# Altium PCB TMS320F28379D_Interfaz.PcbDoc (part 1 of 2) (continued)
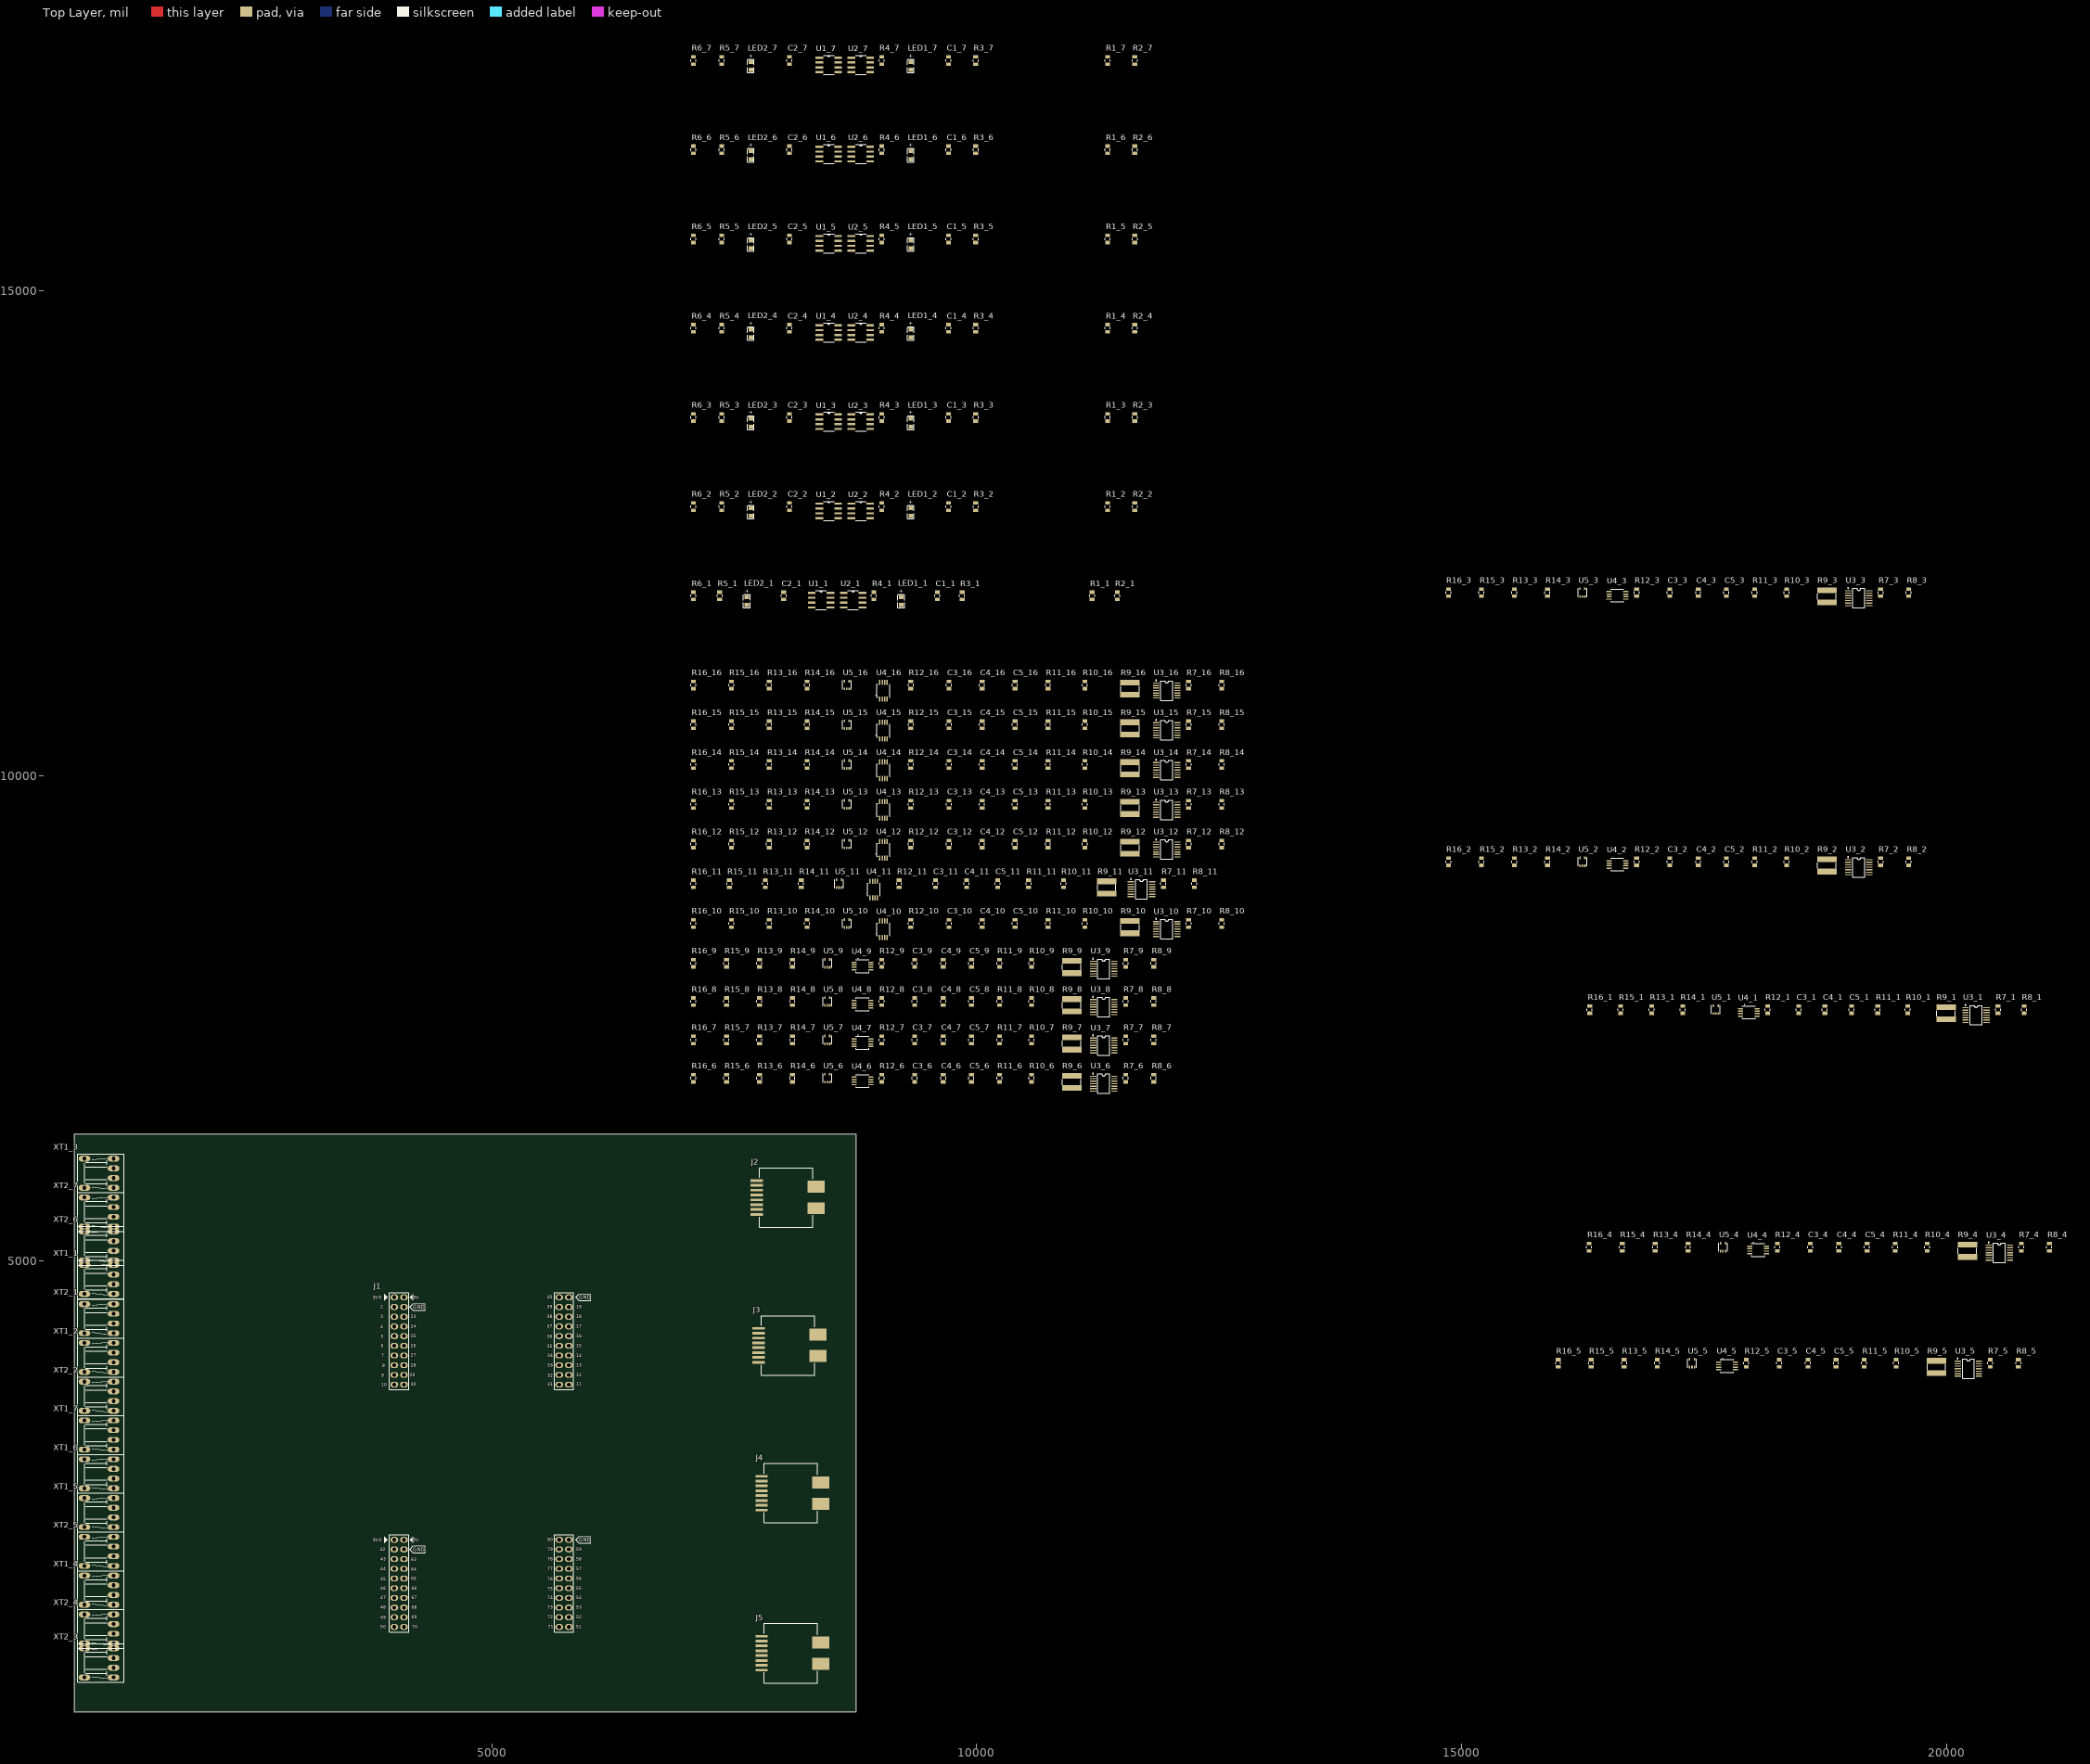
[diagram p0: Top Layer view]
## Components (designator, comment, footprint, x,y, rotation, side; value= is the part's Value field where it differs from the comment) (continued)
C5_3 "Cap cerámico" "CAP 0805" 17730,11887.4 r90 top value=100nF (schematic designator C5)
C5_4 "Cap cerámico" "CAP 0805" 19180,5137.4 r90 top value=100nF (schematic designator C5)
C5_5 "Cap cerámico" "CAP 0805" 18860.59,3940.35 r90 top value=100nF (schematic designator C5)
C5_6 "Cap cerámico" "CAP 0805" 9945,6880 r90 top value=100nF (schematic designator C5)
C5_7 "Cap cerámico" "CAP 0805" 9945,7275 r90 top value=100nF (schematic designator C5)
C5_8 "Cap cerámico" "CAP 0805" 9945,7670 r90 top value=100nF (schematic designator C5)
C5_9 "Cap cerámico" "CAP 0805" 9945,8065 r90 top value=100nF (schematic designator C5)
C5_10 "Cap cerámico" "CAP 0805" 10395,8475 r90 top value=100nF (schematic designator C5)
C5_11 "Cap cerámico" "CAP 0805" 10215,8885 r90 top value=100nF (schematic designator C5)
C5_12 "Cap cerámico" "CAP 0805" 10395,9295 r90 top value=100nF (schematic designator C5)
C5_13 "Cap cerámico" "CAP 0805" 10395,9705 r90 top value=100nF (schematic designator C5)
C5_14 "Cap cerámico" "CAP 0805" 10395,10115 r90 top value=100nF (schematic designator C5)
C5_15 "Cap cerámico" "CAP 0805" 10395,10525 r90 top value=100nF (schematic designator C5)
C5_16 "Cap cerámico" "CAP 0805" 10395,10935 r90 top value=100nF (schematic designator C5)
J1 "Header 20pin" "Header 20pin_TMS320F28379D" 5795,4620 r270 top
J2 "Ethernet connector" "Ethernet connector" 8050,5650 r180 top
J3 "Ethernet connector" "Ethernet connector" 8068.9,4125 r180 top
J4 "Ethernet connector" "Ethernet connector" 8100,2600 r180 top
J5 "Ethernet connector" "Ethernet connector" 8100,950 r180 top
LED1_1 "LED" LED_0805 9220,11800 r90 top (schematic designator LED1)
LED1_2 "LED" LED_0805 9320,12720 r90 top (schematic designator LED1)
LED1_3 "LED" LED_0805 9320,13640 r90 top (schematic designator LED1)
LED1_4 "LED" LED_0805 9320,14560 r90 top (schematic designator LED1)
LED1_5 "LED" LED_0805 9320,15480 r90 top (schematic designator LED1)
LED1_6 "LED" LED_0805 9320,16400 r90 top (schematic designator LED1)
LED1_7 "LED" LED_0805 9320,17320 r90 top (schematic designator LED1)
LED2_1 "LED" LED_0805 7630,11800 r90 top (schematic designator LED2)
LED2_2 "LED" LED_0805 7670,12720 r90 top (schematic designator LED2)
LED2_3 "LED" LED_0805 7670,13640 r90 top (schematic designator LED2)
LED2_4 "LED" LED_0805 7670,14560 r90 top (schematic designator LED2)
LED2_5 "LED" LED_0805 7670,15480 r90 top (schematic designator LED2)
LED2_6 "LED" LED_0805 7670,16400 r90 top (schematic designator LED2)
LED2_7 "LED" LED_0805 7670,17320 r90 top (schematic designator LED2)
R1_1 "Resistor 0805" "Resistor 0805" 11190,11855 r90 top value=100 (schematic designator R1)
R1_2 "Resistor 0805" "Resistor 0805" 11350,12775 r90 top value=100 (schematic designator R1)
R1_3 "Resistor 0805" "Resistor 0805" 11350,13695 r90 top value=100 (schematic designator R1)
R1_4 "Resistor 0805" "Resistor 0805" 11350,14615 r90 top value=100 (schematic designator R1)
R1_5 "Resistor 0805" "Resistor 0805" 11350,15535 r90 top value=100 (schematic designator R1)
R1_6 "Resistor 0805" "Resistor 0805" 11350,16455 r90 top value=100 (schematic designator R1)
R1_7 "Resistor 0805" "Resistor 0805" 11350,17375 r90 top value=100 (schematic designator R1)
R2_1 "Resistor 0805" "Resistor 0805" 11450,11855 r90 top value=100 (schematic designator R2)
R2_2 "Resistor 0805" "Resistor 0805" 11630,12775 r90 top value=100 (schematic designator R2)
R2_3 "Resistor 0805" "Resistor 0805" 11630,13695 r90 top value=100 (schematic designator R2)
R2_4 "Resistor 0805" "Resistor 0805" 11630,14615 r90 top value=100 (schematic designator R2)
R2_5 "Resistor 0805" "Resistor 0805" 11630,15535 r90 top value=100 (schematic designator R2)
R2_6 "Resistor 0805" "Resistor 0805" 11630,16455 r90 top value=100 (schematic designator R2)
R2_7 "Resistor 0805" "Resistor 0805" 11630,17375 r90 top value=100 (schematic designator R2)
R3_1 "Resistor 0805" "Resistor 0805" 9850,11855 r90 top value=680 (schematic designator R3)
R3_2 "Resistor 0805" "Resistor 0805" 9990,12775 r90 top value=680 (schematic designator R3)
R3_3 "Resistor 0805" "Resistor 0805" 9990,13695 r90 top value=680 (schematic designator R3)
R3_4 "Resistor 0805" "Resistor 0805" 9990,14615 r90 top value=680 (schematic designator R3)
R3_5 "Resistor 0805" "Resistor 0805" 9990,15535 r90 top value=680 (schematic designator R3)
R3_6 "Resistor 0805" "Resistor 0805" 9990,16455 r90 top value=680 (schematic designator R3)
R3_7 "Resistor 0805" "Resistor 0805" 9990,17375 r90 top value=680 (schematic designator R3)
R4_1 "Resistor 0805" "Resistor 0805" 8940,11855 r90 top value=680 (schematic designator R4)
R4_2 "Resistor 0805" "Resistor 0805" 9020,12775 r90 top value=680 (schematic designator R4)
R4_3 "Resistor 0805" "Resistor 0805" 9020,13695 r90 top value=680 (schematic designator R4)
R4_4 "Resistor 0805" "Resistor 0805" 9020,14615 r90 top value=680 (schematic designator R4)
R4_5 "Resistor 0805" "Resistor 0805" 9020,15535 r90 top value=680 (schematic designator R4)
R4_6 "Resistor 0805" "Resistor 0805" 9020,16455 r90 top value=680 (schematic designator R4)
R4_7 "Resistor 0805" "Resistor 0805" 9020,17375 r90 top value=680 (schematic designator R4)
R5_1 "Resistor 0805" "Resistor 0805" 7350,11855 r90 top value=10k (schematic designator R5)
R5_2 "Resistor 0805" "Resistor 0805" 7370,12775 r90 top value=10k (schematic designator R5)
R5_3 "Resistor 0805" "Resistor 0805" 7370,13695 r90 top value=10k (schematic designator R5)
R5_4 "Resistor 0805" "Resistor 0805" 7370,14615 r90 top value=10k (schematic designator R5)
R5_5 "Resistor 0805" "Resistor 0805" 7370,15535 r90 top value=10k (schematic designator R5)
R5_6 "Resistor 0805" "Resistor 0805" 7370,16455 r90 top value=10k (schematic designator R5)
R5_7 "Resistor 0805" "Resistor 0805" 7370,17375 r90 top value=10k (schematic designator R5)
R6_1 "Resistor 0805" "Resistor 0805" 7080,11855 r90 top value=10k (schematic designator R6)
R6_2 "Resistor 0805" "Resistor 0805" 7080,12775 r90 top value=10k (schematic designator R6)
R6_3 "Resistor 0805" "Resistor 0805" 7080,13695 r90 top value=10k (schematic designator R6)
R6_4 "Resistor 0805" "Resistor 0805" 7080,14615 r90 top value=10k (schematic designator R6)
R6_5 "Resistor 0805" "Resistor 0805" 7080,15535 r90 top value=10k (schematic designator R6)
R6_6 "Resistor 0805" "Resistor 0805" 7080,16455 r90 top value=10k (schematic designator R6)
R6_7 "Resistor 0805" "Resistor 0805" 7080,17375 r90 top value=10k (schematic designator R6)
R7_1 "Resistor 0805" "Resistor 0805" 20530,7587.4 r90 top value=10k (schematic designator R7)
R7_2 "Resistor 0805" "Resistor 0805" 19320,9112.6 r90 top value=10k (schematic designator R7)
R7_3 "Resistor 0805" "Resistor 0805" 19320,11887.4 r90 top value=10k (schematic designator R7)
R7_4 "Resistor 0805" "Resistor 0805" 20770,5137.4 r90 top value=10k (schematic designator R7)
R7_5 "Resistor 0805" "Resistor 0805" 20450.59,3940.35 r90 top value=10k (schematic designator R7)
R7_6 "Resistor 0805" "Resistor 0805" 11535,6880 r90 top value=10k (schematic designator R7)
R7_7 "Resistor 0805" "Resistor 0805" 11535,7275 r90 top value=10k (schematic designator R7)
R7_8 "Resistor 0805" "Resistor 0805" 11535,7670 r90 top value=10k (schematic designator R7)
R7_9 "Resistor 0805" "Resistor 0805" 11535,8065 r90 top value=10k (schematic designator R7)
R7_10 "Resistor 0805" "Resistor 0805" 12185,8475 r90 top value=10k (schematic designator R7)
R7_11 "Resistor 0805" "Resistor 0805" 11925,8885 r90 top value=10k (schematic designator R7)
R7_12 "Resistor 0805" "Resistor 0805" 12185,9295 r90 top value=10k (schematic designator R7)
R7_13 "Resistor 0805" "Resistor 0805" 12185,9705 r90 top value=10k (schematic designator R7)
R7_14 "Resistor 0805" "Resistor 0805" 12185,10115 r90 top value=10k (schematic designator R7)
R7_15 "Resistor 0805" "Resistor 0805" 12185,10525 r90 top value=10k (schematic designator R7)
R7_16 "Resistor 0805" "Resistor 0805" 12185,10935 r90 top value=10k (schematic designator R7)
R8_1 "Resistor 0805" "Resistor 0805" 20800,7587.4 r90 top value=10k (schematic designator R8)
R8_2 "Resistor 0805" "Resistor 0805" 19610,9112.6 r90 top value=10k (schematic designator R8)
R8_3 "Resistor 0805" "Resistor 0805" 19610,11887.4 r90 top value=10k (schematic designator R8)
R8_4 "Resistor 0805" "Resistor 0805" 21060,5137.4 r90 top value=10k (schematic designator R8)
R8_5 "Resistor 0805" "Resistor 0805" 20740.59,3940.35 r90 top value=10k (schematic designator R8)
R8_6 "Resistor 0805" "Resistor 0805" 11825,6880 r90 top value=10k (schematic designator R8)
R8_7 "Resistor 0805" "Resistor 0805" 11825,7275 r90 top value=10k (schematic designator R8)
R8_8 "Resistor 0805" "Resistor 0805" 11825,7670 r90 top value=10k (schematic designator R8)
R8_9 "Resistor 0805" "Resistor 0805" 11825,8065 r90 top value=10k (schematic designator R8)
R8_10 "Resistor 0805" "Resistor 0805" 12525,8475 r90 top value=10k (schematic designator R8)
R8_11 "Resistor 0805" "Resistor 0805" 12245,8885 r90 top value=10k (schematic designator R8)
R8_12 "Resistor 0805" "Resistor 0805" 12525,9295 r90 top value=10k (schematic designator R8)
R8_13 "Resistor 0805" "Resistor 0805" 12525,9705 r90 top value=10k (schematic designator R8)
R8_14 "Resistor 0805" "Resistor 0805" 12525,10115 r90 top value=10k (schematic designator R8)
R8_15 "Resistor 0805" "Resistor 0805" 12525,10525 r90 top value=10k (schematic designator R8)
R8_16 "Resistor 0805" "Resistor 0805" 12525,10935 r90 top value=10k (schematic designator R8)
R9_1 "Resistor 0805" "Resistor 1812 wide" 19995,7612.4 r0 top value=220 (schematic designator R9)
R9_2 "Resistor 0805" "Resistor 1812 wide" 18765,9137.6 r0 top value=220 (schematic designator R9)
R9_3 "Resistor 0805" "Resistor 1812 wide" 18765,11912.4 r0 top value=220 (schematic designator R9)
R9_4 "Resistor 0805" "Resistor 1812 wide" 20215,5162.4 r0 top value=220 (schematic designator R9)
R9_5 "Resistor 0805" "Resistor 1812 wide" 19895.59,3965.35 r0 top value=220 (schematic designator R9)
R9_6 "Resistor 0805" "Resistor 1812 wide" 10980,6905 r0 top value=220 (schematic designator R9)
R9_7 "Resistor 0805" "Resistor 1812 wide" 10980,7300 r0 top value=220 (schematic designator R9)
R9_8 "Resistor 0805" "Resistor 1812 wide" 10980,7695 r0 top value=220 (schematic designator R9)
R9_9 "Resistor 0805" "Resistor 1812 wide" 10980,8090 r0 top value=220 (schematic designator R9)
R9_10 "Resistor 0805" "Resistor 1812 wide" 11580,8500 r0 top value=220 (schematic designator R9)
R9_11 "Resistor 0805" "Resistor 1812 wide" 11340,8910 r0 top value=220 (schematic designator R9)
R9_12 "Resistor 0805" "Resistor 1812 wide" 11580,9320 r0 top value=220 (schematic designator R9)
R9_13 "Resistor 0805" "Resistor 1812 wide" 11580,9730 r0 top value=220 (schematic designator R9)
R9_14 "Resistor 0805" "Resistor 1812 wide" 11580,10140 r0 top value=220 (schematic designator R9)
R9_15 "Resistor 0805" "Resistor 1812 wide" 11580,10550 r0 top value=220 (schematic designator R9)
R9_16 "Resistor 0805" "Resistor 1812 wide" 11580,10960 r0 top value=220 (schematic designator R9)
R10_1 "Resistor 0805" "Resistor 0805" 19600,7587.4 r90 top value=3K (schematic designator R10)
R10_2 "Resistor 0805" "Resistor 0805" 18350,9112.6 r90 top value=3K (schematic designator R10)
R10_3 "Resistor 0805" "Resistor 0805" 18350,11887.4 r90 top value=3K (schematic designator R10)
R10_4 "Resistor 0805" "Resistor 0805" 19800,5137.4 r90 top value=3K (schematic designator R10)
R10_5 "Resistor 0805" "Resistor 0805" 19480.59,3940.35 r90 top value=3K (schematic designator R10)
R10_6 "Resistor 0805" "Resistor 0805" 10565,6880 r90 top value=3K (schematic designator R10)
R10_7 "Resistor 0805" "Resistor 0805" 10565,7275 r90 top value=3K (schematic designator R10)
R10_8 "Resistor 0805" "Resistor 0805" 10565,7670 r90 top value=3K (schematic designator R10)
R10_9 "Resistor 0805" "Resistor 0805" 10565,8065 r90 top value=3K (schematic designator R10)
R10_10 "Resistor 0805" "Resistor 0805" 11115,8475 r90 top value=3K (schematic designator R10)
R10_11 "Resistor 0805" "Resistor 0805" 10895,8885 r90 top value=3K (schematic designator R10)
R10_12 "Resistor 0805" "Resistor 0805" 11115,9295 r90 top value=3K (schematic designator R10)
R10_13 "Resistor 0805" "Resistor 0805" 11115,9705 r90 top value=3K (schematic designator R10)
R10_14 "Resistor 0805" "Resistor 0805" 11115,10115 r90 top value=3K (schematic designator R10)
R10_15 "Resistor 0805" "Resistor 0805" 11115,10525 r90 top value=3K (schematic designator R10)
R10_16 "Resistor 0805" "Resistor 0805" 11115,10935 r90 top value=3K (schematic designator R10)
R11_1 "Resistor 0805" "Resistor 0805" 19290,7587.4 r90 top value=10k (schematic designator R11)
R11_2 "Resistor 0805" "Resistor 0805" 18020,9112.6 r90 top value=10k (schematic designator R11)
R11_3 "Resistor 0805" "Resistor 0805" 18020,11887.4 r90 top value=10k (schematic designator R11)
R11_4 "Resistor 0805" "Resistor 0805" 19470,5137.4 r90 top value=10k (schematic designator R11)
R11_5 "Resistor 0805" "Resistor 0805" 19150.59,3940.35 r90 top value=10k (schematic designator R11)
R11_6 "Resistor 0805" "Resistor 0805" 10235,6880 r90 top value=10k (schematic designator R11)
R11_7 "Resistor 0805" "Resistor 0805" 10235,7275 r90 top value=10k (schematic designator R11)
R11_8 "Resistor 0805" "Resistor 0805" 10235,7670 r90 top value=10k (schematic designator R11)
R11_9 "Resistor 0805" "Resistor 0805" 10235,8065 r90 top value=10k (schematic designator R11)
R11_10 "Resistor 0805" "Resistor 0805" 10735,8475 r90 top value=10k (schematic designator R11)
R11_11 "Resistor 0805" "Resistor 0805" 10535,8885 r90 top value=10k (schematic designator R11)
R11_12 "Resistor 0805" "Resistor 0805" 10735,9295 r90 top value=10k (schematic designator R11)
R11_13 "Resistor 0805" "Resistor 0805" 10735,9705 r90 top value=10k (schematic designator R11)
R11_14 "Resistor 0805" "Resistor 0805" 10735,10115 r90 top value=10k (schematic designator R11)
R11_15 "Resistor 0805" "Resistor 0805" 10735,10525 r90 top value=10k (schematic designator R11)
R11_16 "Resistor 0805" "Resistor 0805" 10735,10935 r90 top value=10k (schematic designator R11)
R12_1 "Resistor 0805" "Resistor 0805" 18155,7587.4 r90 top value=12k (schematic designator R12)
R12_2 "Resistor 0805" "Resistor 0805" 16805,9112.6 r90 top value=12k (schematic designator R12)
R12_3 "Resistor 0805" "Resistor 0805" 16805,11887.4 r90 top value=12k (schematic designator R12)
R12_4 "Resistor 0805" "Resistor 0805" 18255,5137.4 r90 top value=12k (schematic designator R12)
R12_5 "Resistor 0805" "Resistor 0805" 17935.59,3940.35 r90 top value=12k (schematic designator R12)
R12_6 "Resistor 0805" "Resistor 0805" 9020,6880 r90 top value=12k (schematic designator R12)
R12_7 "Resistor 0805" "Resistor 0805" 9020,7275 r90 top value=12k (schematic designator R12)
R12_8 "Resistor 0805" "Resistor 0805" 9020,7670 r90 top value=12k (schematic designator R12)
R12_9 "Resistor 0805" "Resistor 0805" 9020,8065 r90 top value=12k (schematic designator R12)
R12_10 "Resistor 0805" "Resistor 0805" 9320,8475 r90 top value=12k (schematic designator R12)
R12_11 "Resistor 0805" "Resistor 0805" 9200,8885 r90 top value=12k (schematic designator R12)
R12_12 "Resistor 0805" "Resistor 0805" 9320,9295 r90 top value=12k (schematic designator R12)
R12_13 "Resistor 0805" "Resistor 0805" 9320,9705 r90 top value=12k (schematic designator R12)
R12_14 "Resistor 0805" "Resistor 0805" 9320,10115 r90 top value=12k (schematic designator R12)
R12_15 "Resistor 0805" "Resistor 0805" 9320,10525 r90 top value=12k (schematic designator R12)
R12_16 "Resistor 0805" "Resistor 0805" 9320,10935 r90 top value=12k (schematic designator R12)
R13_1 "Resistor 0805" "Resistor 0805" 16960,7587.4 r90 top value=10k (schematic designator R13)
R13_2 "Resistor 0805" "Resistor 0805" 15545,9112.6 r90 top value=10k (schematic designator R13)
R13_3 "Resistor 0805" "Resistor 0805" 15545,11887.4 r90 top value=10k (schematic designator R13)
R13_4 "Resistor 0805" "Resistor 0805" 16995,5137.4 r90 top value=10k (schematic designator R13)
R13_5 "Resistor 0805" "Resistor 0805" 16675.59,3940.35 r90 top value=10k (schematic designator R13)
R13_6 "Resistor 0805" "Resistor 0805" 7760,6880 r90 top value=10k (schematic designator R13)
R13_7 "Resistor 0805" "Resistor 0805" 7760,7275 r90 top value=10k (schematic designator R13)
R13_8 "Resistor 0805" "Resistor 0805" 7760,7670 r90 top value=10k (schematic designator R13)
R13_9 "Resistor 0805" "Resistor 0805" 7760,8065 r90 top value=10k (schematic designator R13)
R13_10 "Resistor 0805" "Resistor 0805" 7860,8475 r90 top value=10k (schematic designator R13)
R13_11 "Resistor 0805" "Resistor 0805" 7820,8885 r90 top value=10k (schematic designator R13)
R13_12 "Resistor 0805" "Resistor 0805" 7860,9295 r90 top value=10k (schematic designator R13)
R13_13 "Resistor 0805" "Resistor 0805" 7860,9705 r90 top value=10k (schematic designator R13)
R13_14 "Resistor 0805" "Resistor 0805" 7860,10115 r90 top value=10k (schematic designator R13)
R13_15 "Resistor 0805" "Resistor 0805" 7860,10525 r90 top value=10k (schematic designator R13)
R13_16 "Resistor 0805" "Resistor 0805" 7860,10935 r90 top value=10k (schematic designator R13)
R14_1 "Resistor 0805" "Resistor 0805" 17280,7587.4 r90 top value=10k (schematic designator R14)
R14_2 "Resistor 0805" "Resistor 0805" 15885,9112.6 r90 top value=10k (schematic designator R14)
R14_3 "Resistor 0805" "Resistor 0805" 15885,11887.4 r90 top value=10k (schematic designator R14)
R14_4 "Resistor 0805" "Resistor 0805" 17335,5137.4 r90 top value=10k (schematic designator R14)
R14_5 "Resistor 0805" "Resistor 0805" 17015.59,3940.35 r90 top value=10k (schematic designator R14)
R14_6 "Resistor 0805" "Resistor 0805" 8100,6880 r90 top value=10k (schematic designator R14)
R14_7 "Resistor 0805" "Resistor 0805" 8100,7275 r90 top value=10k (schematic designator R14)
R14_8 "Resistor 0805" "Resistor 0805" 8100,7670 r90 top value=10k (schematic designator R14)
R14_9 "Resistor 0805" "Resistor 0805" 8100,8065 r90 top value=10k (schematic designator R14)
R14_10 "Resistor 0805" "Resistor 0805" 8250,8475 r90 top value=10k (schematic designator R14)
R14_11 "Resistor 0805" "Resistor 0805" 8190,8885 r90 top value=10k (schematic designator R14)
R14_12 "Resistor 0805" "Resistor 0805" 8250,9295 r90 top value=10k (schematic designator R14)
R14_13 "Resistor 0805" "Resistor 0805" 8250,9705 r90 top value=10k (schematic designator R14)
R14_14 "Resistor 0805" "Resistor 0805" 8250,10115 r90 top value=10k (schematic designator R14)
R14_15 "Resistor 0805" "Resistor 0805" 8250,10525 r90 top value=10k (schematic designator R14)
R14_16 "Resistor 0805" "Resistor 0805" 8250,10935 r90 top value=10k (schematic designator R14)
R15_1 "Resistor 0805" "Resistor 0805" 16640,7587.4 r90 top value=10k (schematic designator R15)
R15_2 "Resistor 0805" "Resistor 0805" 15205,9112.6 r90 top value=10k (schematic designator R15)
R15_3 "Resistor 0805" "Resistor 0805" 15205,11887.4 r90 top value=10k (schematic designator R15)
R15_4 "Resistor 0805" "Resistor 0805" 16655,5137.4 r90 top value=10k (schematic designator R15)
R15_5 "Resistor 0805" "Resistor 0805" 16335.59,3940.35 r90 top value=10k (schematic designator R15)
R15_6 "Resistor 0805" "Resistor 0805" 7420,6880 r90 top value=10k (schematic designator R15)
R15_7 "Resistor 0805" "Resistor 0805" 7420,7275 r90 top value=10k (schematic designator R15)
R15_8 "Resistor 0805" "Resistor 0805" 7420,7670 r90 top value=10k (schematic designator R15)
R15_9 "Resistor 0805" "Resistor 0805" 7420,8065 r90 top value=10k (schematic designator R15)
R15_10 "Resistor 0805" "Resistor 0805" 7470,8475 r90 top value=10k (schematic designator R15)
R15_11 "Resistor 0805" "Resistor 0805" 7450,8885 r90 top value=10k (schematic designator R15)
R15_12 "Resistor 0805" "Resistor 0805" 7470,9295 r90 top value=10k (schematic designator R15)
R15_13 "Resistor 0805" "Resistor 0805" 7470,9705 r90 top value=10k (schematic designator R15)
R15_14 "Resistor 0805" "Resistor 0805" 7470,10115 r90 top value=10k (schematic designator R15)
R15_15 "Resistor 0805" "Resistor 0805" 7470,10525 r90 top value=10k (schematic designator R15)
R15_16 "Resistor 0805" "Resistor 0805" 7470,10935 r90 top value=10k (schematic designator R15)
R16_1 "Resistor 0805" "Resistor 0805" 16320,7587.4 r90 top value=10k (schematic designator R16)
R16_2 "Resistor 0805" "Resistor 0805" 14865,9112.6 r90 top value=10k (schematic designator R16)
R16_3 "Resistor 0805" "Resistor 0805" 14865,11887.4 r90 top value=10k (schematic designator R16)
R16_4 "Resistor 0805" "Resistor 0805" 16315,5137.4 r90 top value=10k (schematic designator R16)
R16_5 "Resistor 0805" "Resistor 0805" 15995.59,3940.35 r90 top value=10k (schematic designator R16)
R16_6 "Resistor 0805" "Resistor 0805" 7080,6880 r90 top value=10k (schematic designator R16)
R16_7 "Resistor 0805" "Resistor 0805" 7080,7275 r90 top value=10k (schematic designator R16)
R16_8 "Resistor 0805" "Resistor 0805" 7080,7670 r90 top value=10k (schematic designator R16)
R16_9 "Resistor 0805" "Resistor 0805" 7080,8065 r90 top value=10k (schematic designator R16)
R16_10 "Resistor 0805" "Resistor 0805" 7080,8475 r90 top value=10k (schematic designator R16)
R16_11 "Resistor 0805" "Resistor 0805" 7080,8885 r90 top value=10k (schematic designator R16)
R16_12 "Resistor 0805" "Resistor 0805" 7080,9295 r90 top value=10k (schematic designator R16)
R16_13 "Resistor 0805" "Resistor 0805" 7080,9705 r90 top value=10k (schematic designator R16)
R16_14 "Resistor 0805" "Resistor 0805" 7080,10115 r90 top value=10k (schematic designator R16)
R16_15 "Resistor 0805" "Resistor 0805" 7080,10525 r90 top value=10k (schematic designator R16)
R16_16 "Resistor 0805" "Resistor 0805" 7080,10935 r90 top value=10k (schematic designator R16)
U1_1 "SN75451BDR" 8-SOIC 8395,11810 r0 top (schematic designator U1)
U1_2 "SN75451BDR" 8-SOIC 8475,12730 r0 top (schematic designator U1)
U1_3 "SN75451BDR" 8-SOIC 8475,13650 r0 top (schematic designator U1)
U1_4 "SN75451BDR" 8-SOIC 8475,14570 r0 top (schematic designator U1)
U1_5 "SN75451BDR" 8-SOIC 8475,15490 r0 top (schematic designator U1)
U1_6 "SN75451BDR" 8-SOIC 8475,16410 r0 top (schematic designator U1)
U1_7 "SN75451BDR" 8-SOIC 8475,17330 r0 top (schematic designator U1)
U2_1 "SN75451BDR" 8-SOIC 8725,11810 r0 top (schematic designator U2)
U2_2 "SN75451BDR" 8-SOIC 8805,12730 r0 top (schematic designator U2)
U2_3 "SN75451BDR" 8-SOIC 8805,13650 r0 top (schematic designator U2)
U2_4 "SN75451BDR" 8-SOIC 8805,14570 r0 top (schematic designator U2)
U2_5 "SN75451BDR" 8-SOIC 8805,15490 r0 top (schematic designator U2)
U2_6 "SN75451BDR" 8-SOIC 8805,16410 r0 top (schematic designator U2)
U2_7 "SN75451BDR" 8-SOIC 8805,17330 r0 top (schematic designator U2)
U3_1 "OPA4344" 14-TSSOP 20195,7607.4 r0 top (schematic designator U3)
U3_2 "OPA4344" 14-TSSOP 18985,9132.6 r0 top (schematic designator U3)
U3_3 "OPA4344" 14-TSSOP 18985,11907.4 r0 top (schematic designator U3)
U3_4 "OPA4344" 14-TSSOP 20435,5157.4 r0 top (schematic designator U3)
U3_5 "OPA4344" 14-TSSOP 20115.59,3960.35 r0 top (schematic designator U3)
U3_6 "OPA4344" 14-TSSOP 11200,6900 r0 top (schematic designator U3)
U3_7 "OPA4344" 14-TSSOP 11200,7295 r0 top (schematic designator U3)
U3_8 "OPA4344" 14-TSSOP 11200,7690 r0 top (schematic designator U3)
U3_9 "OPA4344" 14-TSSOP 11200,8085 r0 top (schematic designator U3)
U3_10 "OPA4344" 14-TSSOP 11850,8495 r0 top (schematic designator U3)
U3_11 "OPA4344" 14-TSSOP 11590,8905 r0 top (schematic designator U3)
U3_12 "OPA4344" 14-TSSOP 11850,9315 r0 top (schematic designator U3)
U3_13 "OPA4344" 14-TSSOP 11850,9725 r0 top (schematic designator U3)
U3_14 "OPA4344" 14-TSSOP 11850,10135 r0 top (schematic designator U3)
U3_15 "OPA4344" 14-TSSOP 11850,10545 r0 top (schematic designator U3)
U3_16 "OPA4344" 14-TSSOP 11850,10955 r0 top (schematic designator U3)
U4_1 "MAX962" 8-TSSOP 17875,7597.4 r0 top (schematic designator U4)
U4_2 "MAX962" 8-TSSOP 16520,9122.6 r0 top (schematic designator U4)
U4_3 "MAX962" 8-TSSOP 16520,11897.4 r0 top (schematic designator U4)
U4_4 "MAX962" 8-TSSOP 17970,5147.4 r0 top (schematic designator U4)
U4_5 "MAX962" 8-TSSOP 17650.59,3950.35 r0 top (schematic designator U4)
U4_6 "MAX962" 8-TSSOP 8735,6890 r0 top (schematic designator U4)
U4_7 "MAX962" 8-TSSOP 8735,7285 r0 top (schematic designator U4)
U4_8 "MAX962" 8-TSSOP 8735,7680 r0 top (schematic designator U4)
U4_9 "MAX962" 8-TSSOP 8735,8075 r0 top (schematic designator U4)
U4_10 "MAX962" 8-TSSOP 9000,8330 r90 top (schematic designator U4)
U4_11 "MAX962" 8-TSSOP 8900,8740 r90 top (schematic designator U4)
U4_12 "MAX962" 8-TSSOP 9000,9150 r90 top (schematic designator U4)
U4_13 "MAX962" 8-TSSOP 9000,9560 r90 top (schematic designator U4)
U4_14 "MAX962" 8-TSSOP 9000,9970 r90 top (schematic designator U4)
U4_15 "MAX962" 8-TSSOP 9000,10380 r90 top (schematic designator U4)
U4_16 "MAX962" 8-TSSOP 9000,10790 r90 top (schematic designator U4)
U5_1 "MC74VHC1G32DFT1" 5-TSSOP 17620,7587.4 r90 top (schematic designator U5)
U5_2 "MC74VHC1G32DFT1" 5-TSSOP 16245,9112.6 r90 top (schematic designator U5)
U5_3 "MC74VHC1G32DFT1" 5-TSSOP 16245,11887.4 r90 top (schematic designator U5)
U5_4 "MC74VHC1G32DFT1" 5-TSSOP 17695,5137.4 r90 top (schematic designator U5)
U5_5 "MC74VHC1G32DFT1" 5-TSSOP 17375.59,3940.35 r90 top (schematic designator U5)
U5_6 "MC74VHC1G32DFT1" 5-TSSOP 8460,6880 r90 top (schematic designator U5)
U5_7 "MC74VHC1G32DFT1" 5-TSSOP 8460,7275 r90 top (schematic designator U5)
U5_8 "MC74VHC1G32DFT1" 5-TSSOP 8460,7670 r90 top (schematic designator U5)
U5_9 "MC74VHC1G32DFT1" 5-TSSOP 8460,8065 r90 top (schematic designator U5)
U5_10 "MC74VHC1G32DFT1" 5-TSSOP 8660,8475 r90 top (schematic designator U5)
U5_11 "MC74VHC1G32DFT1" 5-TSSOP 8580,8885 r90 top (schematic designator U5)
U5_12 "MC74VHC1G32DFT1" 5-TSSOP 8660,9295 r90 top (schematic designator U5)
U5_13 "MC74VHC1G32DFT1" 5-TSSOP 8660,9705 r90 top (schematic designator U5)
U5_14 "MC74VHC1G32DFT1" 5-TSSOP 8660,10115 r90 top (schematic designator U5)
U5_15 "MC74VHC1G32DFT1" 5-TSSOP 8660,10525 r90 top (schematic designator U5)
U5_16 "MC74VHC1G32DFT1" 5-TSSOP 8660,10935 r90 top (schematic designator U5)
XT1_1 "HFBR-1521Z" HFBR-15X1Z 1100,4655 r270 top (schematic designator XT1)
XT1_2 "HFBR-1521Z" HFBR-15X1Z 1100,3850 r270 top (schematic designator XT1)
XT1_3 "HFBR-1521Z" HFBR-15X1Z 1100,5750 r270 top (schematic designator XT1)
XT1_4 "HFBR-1521Z" HFBR-15X1Z 1100,1450 r270 top (schematic designator XT1)
XT1_5 "HFBR-1521Z" HFBR-15X1Z 1100,2250 r270 top (schematic designator XT1)
XT1_6 "HFBR-1521Z" HFBR-15X1Z 1100,2650 r270 top (schematic designator XT1)
XT1_7 "HFBR-1521Z" HFBR-15X1Z 1100,3050 r270 top (schematic designator XT1)
XT2_1 "HFBR-1521Z" HFBR-15X1Z 1100,4250 r270 top (schematic designator XT2)
XT2_2 "HFBR-1521Z" HFBR-15X1Z 1100,3450 r270 top (schematic designator XT2)
XT2_3 "HFBR-1521Z" HFBR-15X1Z 1100,700 r270 top (schematic designator XT2)
XT2_4 "HFBR-1521Z" HFBR-15X1Z 1100,1050 r270 top (schematic designator XT2)
XT2_5 "HFBR-1521Z" HFBR-15X1Z 1100,1850 r270 top (schematic designator XT2)
XT2_6 "HFBR-1521Z" HFBR-15X1Z 1100,5000 r270 top (schematic designator XT2)
XT2_7 "HFBR-1521Z" HFBR-15X1Z 1100,5350 r270 top (schematic designator XT2)

## Footprints (in the part's own frame and the unit in brackets; to place one, negate y for a bottom-side part, rotate by r counter-clockwise, add the part's x,y. Pads: shape width x height; smd on the part's side, far side on the other; paste and mask are expansions set on the pad)
5-TSSOP [mm]
  rect 0.7x0.4 smd: 1(-1.025,-0.65) 2(-1.025,0) 3(-1.025,0.65) 4(1.025,0.65) 5(1.025,-0.65)
  silkscreen extent -1.14,-1.14 1.14,1.14, body extent -1.13,-1.12 1.12,1.13, height 1.09
8-SOIC [mil]
  rect 78x22 smd: 1(-97,75) 2(-97,25) 3(-97,-25) 4(-97,-75) 5(97,-75) 6(97,-25) 7(97,25) 8(97,75)
  silkscreen extent -54,-98 54,98, body extent -118,-96 118,96, height 59
8-TSSOP [mil] "SOIC, 8-Leads, Body 4.9x3.9mm, Pitch 1.27mm, IPC Low Density"
  oval 54x14 smd: 1(0,0) 2(0,-25.59) 3(0,-51.18) 4(0,-76.77) 5(172,-76.77) 6(172,-51.18) 7(172,-25.59) 8(172,0)
  silkscreen extent 20,-104 152,41, body extent -14,-99 184,23, height 43
14-TSSOP [mm]
  rect 1.65x0.3 smd: 1(0,0) 2(0,-0.65) 3(0,-1.3) 4(0,-1.95) 5(0,-2.6) 6(0,-3.25) 7(0,-3.9) 8(5.55,-3.9) 9(5.55,-3.25) 10(5.55,-2.6) 11(5.55,-1.95) 12(5.55,-1.3) 13(5.55,-0.65) 14(5.55,0)
  silkscreen extent -0.12,-4.5 4.33,0.82, body extent -0.44,-4.45 5.96,0.55, height 1.16
"CAP 0805" [mil]
  rect 35x50 smd: 1(-37.4,0) 2(37.4,0)
  silkscreen extent -10,-26 10,26, body extent -43,-27 43,30, height 34
"Ethernet connector" [mm]
  rect 3.2x0.7 smd: 1(8.1,4.445) 2(8.1,3.175) 3(8.1,1.905) 4(8.1,0.635) 5(8.1,-0.635) 6(8.1,-1.905) 7(8.1,-3.175) 8(8.1,-4.445)
  rect 4.5x3.15 smd: P1(-7.45,2.825) P2(-7.45,-2.825)
  silkscreen extent -6.6,-7.78 7.4,7.78, body extent -9,-7.77 9,7.78, height 12.7
"Header 20pin_TMS320F28379D" [mil]
  oval 60x80 hole 40 unplated: 1(0,-1800) 2(100,-1800) 3(200,-1800) 4(300,-1800) 5(400,-1800) 6(500,-1800) 7(600,-1800) 8(700,-1800) 9(800,-1800) 10(900,-1800) 11(900,0) 12(800,0) 13(700,0) 14(600,0) 15(500,0) 16(400,0) 17(300,0) 18(200,0) 19(100,0) 20(0,0) 21(0,-1700) 22(100,-1700) 23(200,-1700) 24(300,-1700) 25(400,-1700) 26(500,-1700) 27(600,-1700) 28(700,-1700) 29(800,-1700) 30(900,-1700) 31(900,-100) 32(800,-100) 33(700,-100) 34(600,-100) 35(500,-100) 36(400,-100) 37(300,-100) 38(200,-100) 39(100,-100) 40(0,-100) 41(2500,-1800) 42(2600,-1800) 43(2700,-1800) 44(2800,-1800) 45(2900,-1800) 46(3000,-1800) 47(3100,-1800) 48(3200,-1800) 49(3300,-1800) 50(3400,-1800) 51(3400,0) 52(3300,0) 53(3200,0) 54(3100,0) 55(3000,0) 56(2900,0) 57(2800,0) 58(2700,0) 59(2600,0) 60(2500,0) 61(2500,-1700) 62(2600,-1700) 63(2700,-1700) 64(2800,-1700) 65(2900,-1700) 66(3000,-1700) 67(3100,-1700) 68(3200,-1700) 69(3300,-1700) 70(3400,-1700) 71(3400,-100) 72(3300,-100) 73(3200,-100) 74(3100,-100) 75(3000,-100) 76(2900,-100) 77(2800,-100) 78(2700,-100) 79(2600,-100) 80(2500,-100)
  silkscreen extent -50,-1905 3450,225, body extent -50,-1850 3450,50, height 350
HFBR-15X1Z [mil]
  oval 60x120 hole 40: 1(0,0) 2(-100,0) 3(-200,0) 4(-300,0) 5(-300,-300) 8(0,-300)
  silkscreen extent -350,-370 50,110, body extent -350,-630 130,110, height 300
LED_0805 [mm] "Chip LED, 2-Leads, Body 2.0x1.3mm, IPC Medium Density"
  rect 1.1x1.2 smd: 1(-1.05,0) 2(1.05,0)
  silkscreen extent -1.78,-0.89 1.78,0.89, body extent -1,-0.63 1,0.62, height 0.68
"Resistor 0805" [mil]
  rect 35x50 smd: 1(-37.4,0) 2(37.4,0)
  silkscreen extent -10,-26 10,26, body extent -39,-24 39,24, height 18
"Resistor 1812 wide" [mm] "Chip Capacitor, Body 3.1x4.6mm"
  rect 5.1x1.5 smd: 1(0,0) 2(0,-3.2)
  silkscreen extent -2.41,-2.39 2.41,-0.89, body extent -2.35,-3.25 2.35,0.05, height 0.65